# Altium PCB Nano_pro.PcbDoc
Units mm, origin at the board's own origin, x right, y up, seen from the top; angles counter-clockwise.
Board outline 68.58 x 53.21 mm, 2 copper layers (Top Layer, Bottom Layer); 15 components, 14 nets, 70 pads, 8 vias.
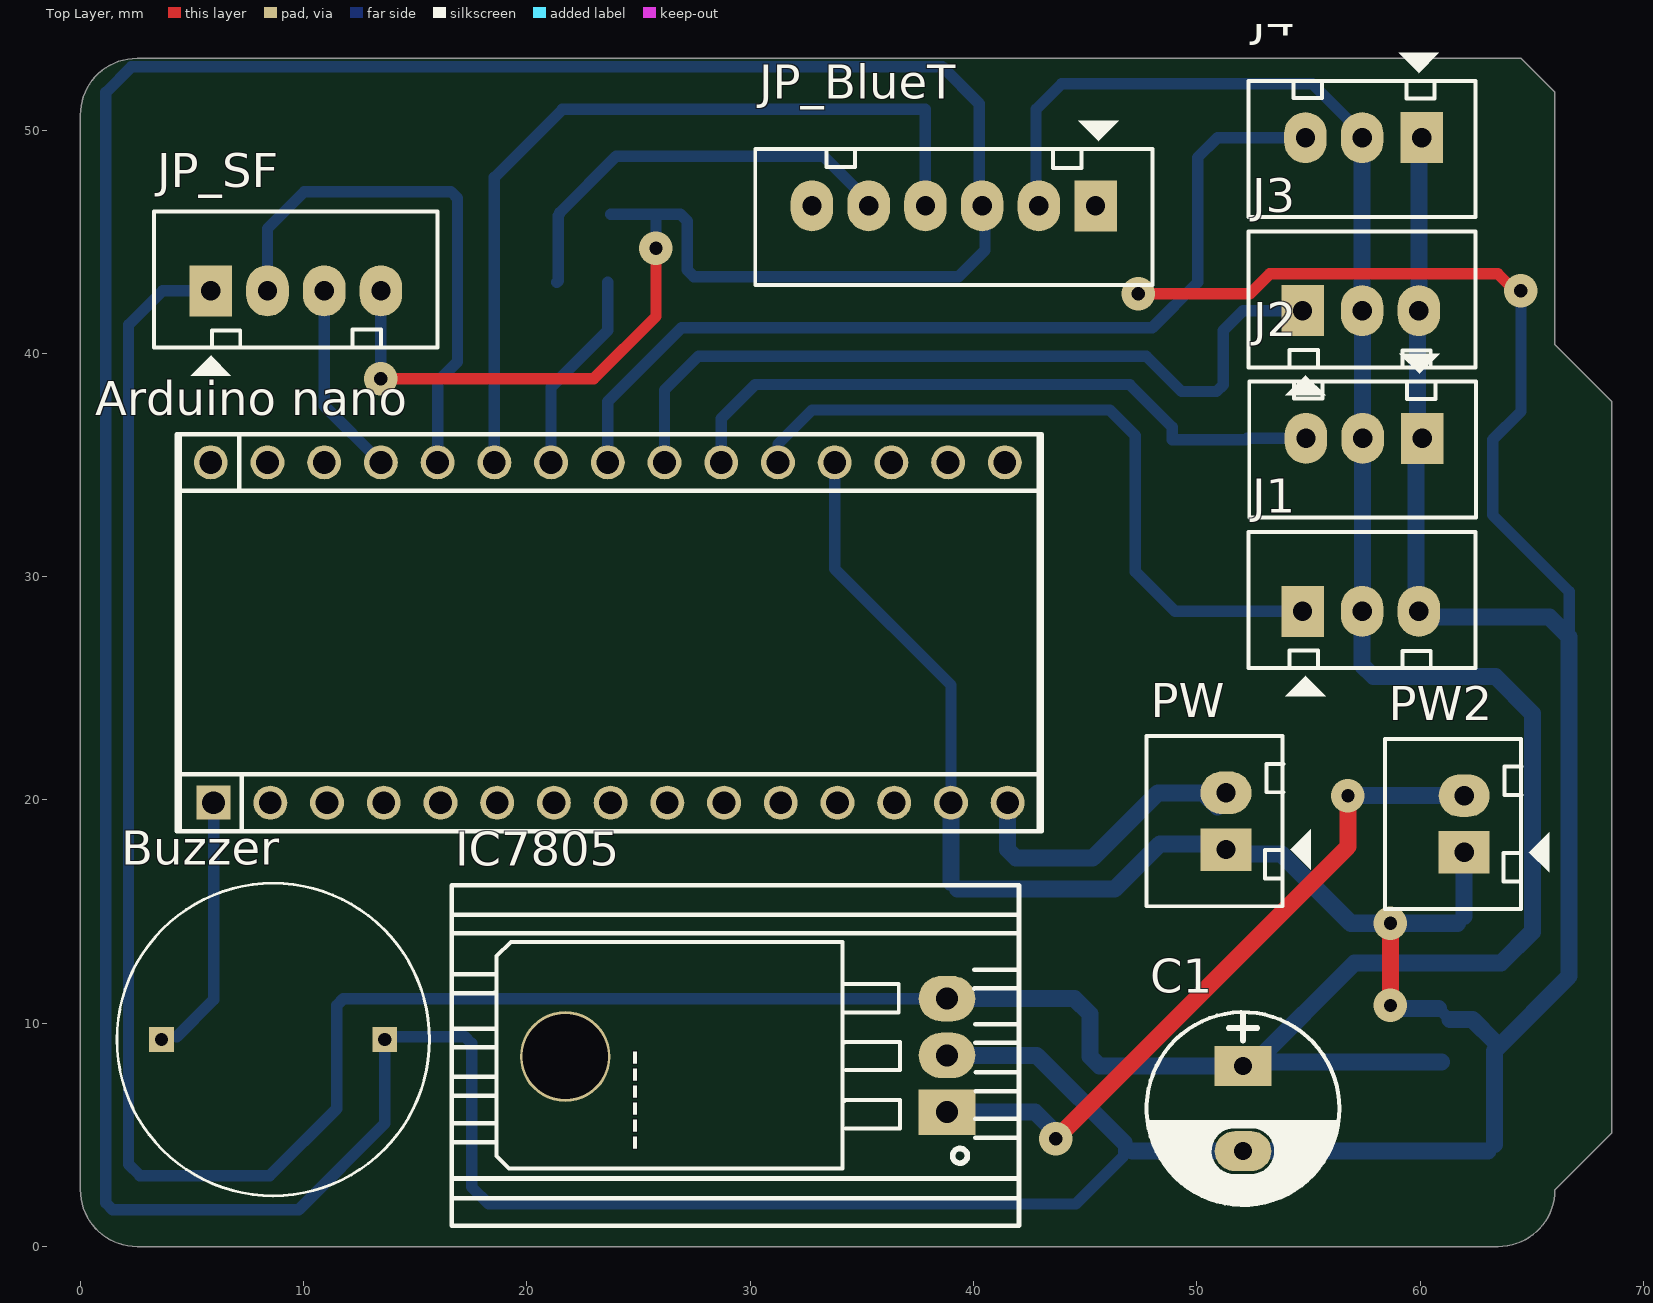
[diagram p0: Top Layer view]
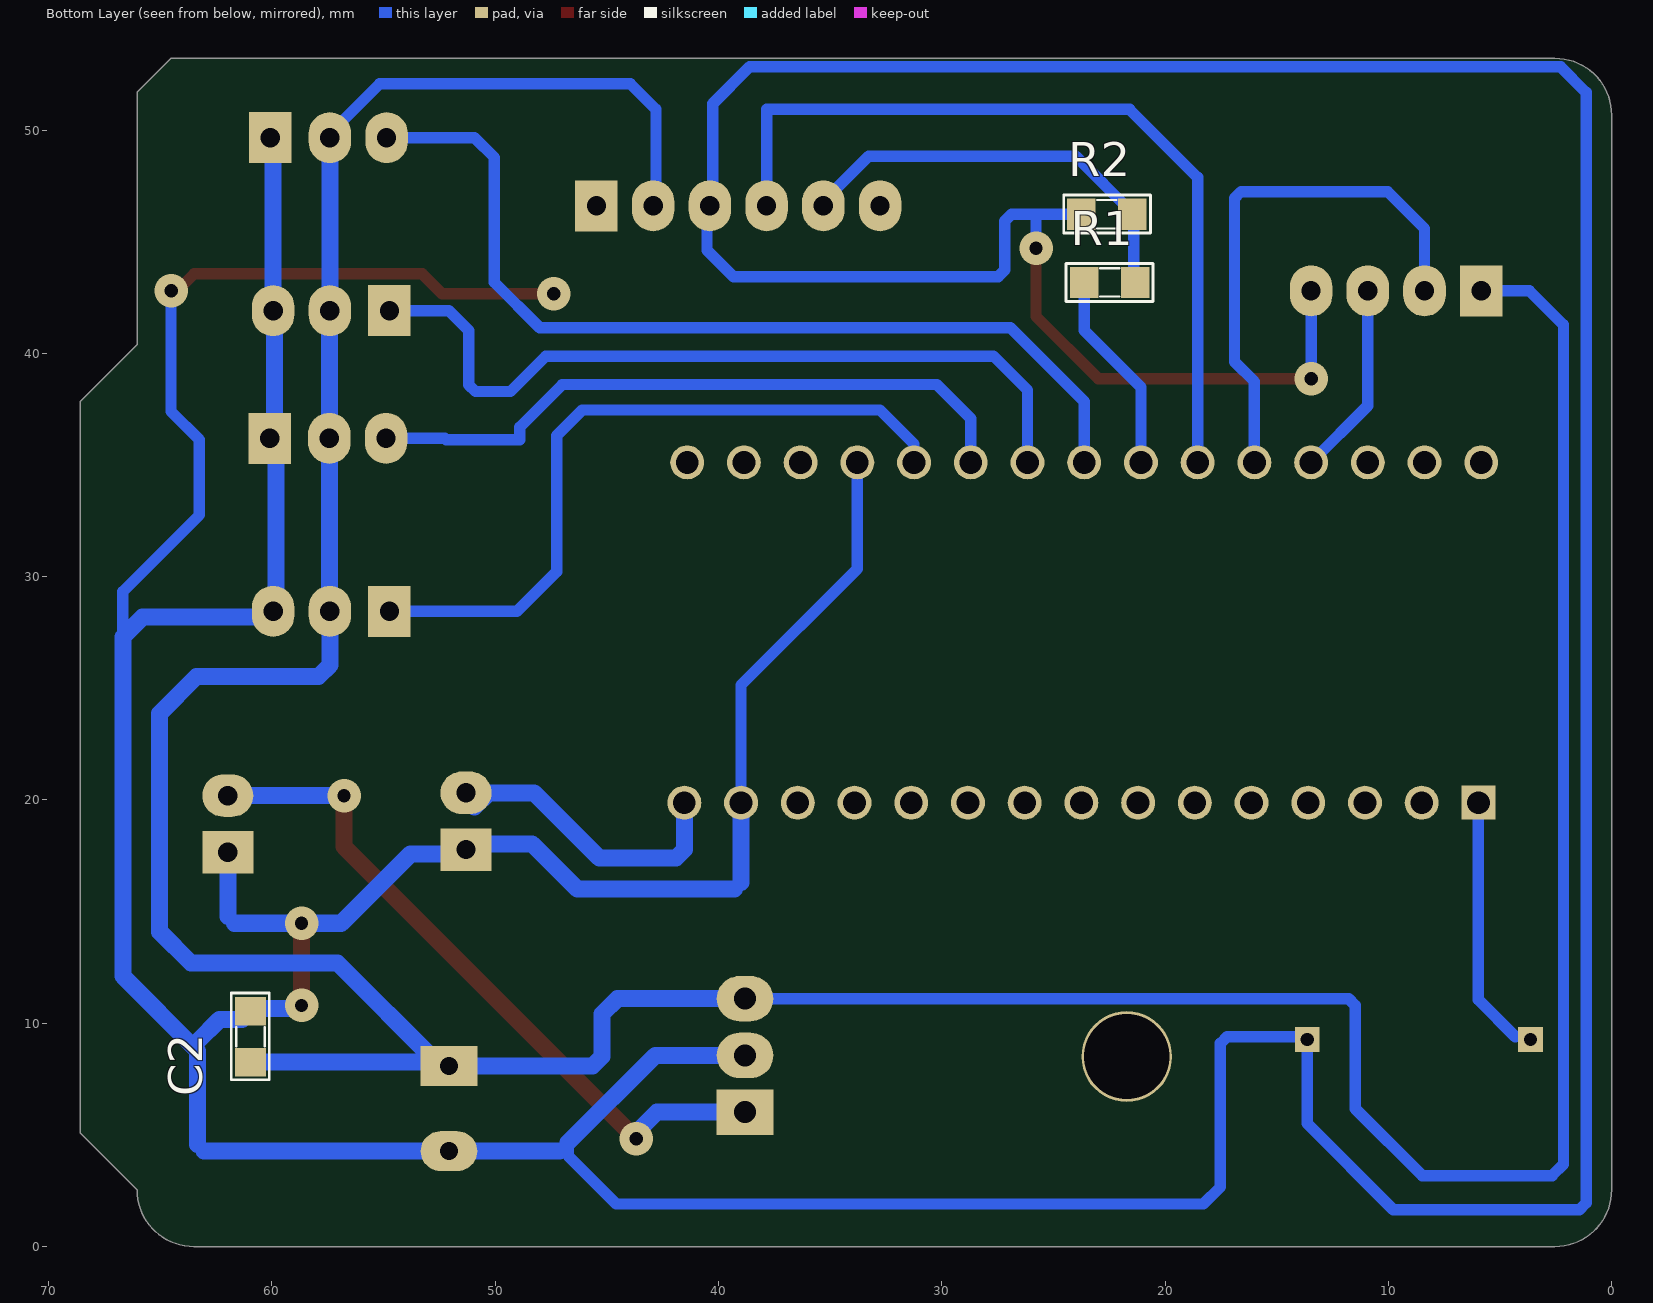
[diagram p1: Bottom Layer view, seen from below]

## Layer stack, top to bottom
Top Solder: solder mask 0.0102, Solder Resist, Dk 3.5
Top Layer: signal copper 0.0356
Dielectric 1: dielectric 0.32, FR-4, Dk 4.8
Bottom Layer: signal copper 0.0356
Bottom Solder: solder mask 0.0102, Solder Resist, Dk 3.5

## Board outline
0,50.673 cw(c2.54,50.673) 2.54,53.213 64.516,53.213 66.04,51.689 66.04,40.386 68.58,37.846 68.58,5.08 66.04,2.54 cw(c63.5,2.54) 63.5,0 2.54,0 cw(c2.54,2.54) 0,2.54

## Design rules (kind name [scope] priority, off if disabled: settings)
Clearance [All] p1: gap=0.254 ignorepadtopadclearanceinfootprint=FALSE except(0: Arc-Hole Track-Hole SMDPad-Hole THPad-Hole Via-Hole Fill-Hole Poly-Hole Region-Hole Text-Hole)
PolygonConnect [All] p1: connectstyle=Relief reliefconductorwidth=0.254 reliefentries=4 polygonreliefangle="90 Angle" airgapwidth=0.254
RoomDefinition Nano_pro [InComponentClass('Nano_pro')] p1: confinementstyle=ConfineIn formatcopy=TRUE lockcomponents=FALSE outline -29.972,-188.722 20.828,-188.722 20.828,-163.322 -29.972,-163.322
RoutingVias [All] p1: holewidth=0.711 width=1.27 viastyle="Through Hole" minholewidth=0.711 minwidth=1.27 maxholewidth=0.711 maxwidth=1.27
SolderMaskExpansion [All] p1: expansion=0.102
Width [All] p1: maxlimit=1.016 minlimit=0.508 preferedwidth=0.508 minimp=50.000000 maximp=50.000000 favimp=50.000000
30 further rules are at their usual default settings.

## Components (designator, comment, footprint, x,y, rotation, side; value= is the part's Value field where it differs from the comment)
"Arduino nano" "Arduino Nano" "Arduino Nano" 23.876,26.734 r270 top value="Cau 1A"
Buzzer "PT-1340P-P10-PQ" *PT-1340_PT-1340P-P10-PQ(Primary) 8.636,9.271 r270 top
C1 "47uF/35V" CP1.5/3.4 52.07,8.084 r270 top value=100uF/35V/50V
C2 "0.1uF" SM-CAP-0805 60.96,10.541 r270 bottom value=103
IC7805 "LM78xx" TO220NH 38.811,6.02 r90 top
J1 "Jumper 3" CON3 54.864,28.448 r0 top value=J3
J2 "Jumper 3" CON3 59.969,36.195 r180 top value=J3
J3 "Jumper 3" CON3 54.864,41.91 r0 top value=J3
J4 "Jumper 3" CON3 59.944,49.657 r180 top value=J3
JP_BlueT "JP6 PIN" CON6 45.466,46.609 r180 top value=JP7
JP_SF "JP4" CON4 5.842,42.799 r0 top value="Connector 4"
PW "JP2" CON2 51.308,17.78 r90 top value="Connector 2"
PW2 "JP2" CON2 61.976,17.653 r90 top value="Connector 2"
R1 "1k" SM-RES-0805 23.622,43.18 r180 bottom value="R1/4W - 1K"
R2 "2k" SM-RES-0805 21.463,46.228 r0 bottom value="R1/4W - 1K"

## Footprints (in the part's own frame and the unit in brackets; to place one, negate y for a bottom-side part, rotate by r counter-clockwise, add the part's x,y. Pads: shape width x height; smd on the part's side, far side on the other; paste and mask are expansions set on the pad)
*PT-1340_PT-1340P-P10-PQ(Primary) [mm]
  rect 1.108x1.108 hole 0.6: P$1(0,5) P$2(0,-5)
  silkscreen extent -7,-7 7,7
"Arduino Nano" [mm]
  round 1.52 hole 1.02: 3V3(6.858,-15.367) 5V(6.858,10.033) A0(6.858,-10.287) A1(6.858,-7.747) A2(6.858,-5.207) A3(6.858,-2.667) A4(6.858,-0.127) A5(6.858,2.413) A6(6.858,4.953) A7(6.858,7.493) D2(-8.382,7.366) D3(-8.382,4.826) D4(-8.382,2.286) D5(-8.382,-0.254) D6(-8.382,-2.794) D7(-8.382,-5.334) D8(-8.382,-7.874) D9(-8.382,-10.414) D10(-8.382,-12.954) D11(-8.382,-15.494) D12(-8.382,-18.034) GND(-8.382,9.906) GND(6.858,15.113) REF(6.858,-12.827) RST(-8.382,12.446) RST(6.858,12.573) RX0(-8.382,14.986) TX1(-8.382,17.526) VIN(6.858,17.653)
  rect 1.52x1.52 hole 1.02: D13(6.858,-17.907)
  silkscreen extent -9.65,-19.55 8.13,19.18, body extent -9.65,-23.48 8.14,21.44, height 21.18
CON2 [mil] "CON2"
  rect 75x90 hole 34: 1(0,0)
  oval 75x90 hole 34: 2(100,0)
  silkscreen extent -100,-150 200,140, body extent -68,-70 168,107, height 236
CON3 [mil] "CON 3"
  rect 75x90 hole 34: 1(-5,0)
  oval 75x90 hole 34: 2(100,0) 3(200,0)
  silkscreen extent -100,-150 300,140, body extent -95,-90 295,136, height 276
CON4 [mil] "CON4"
  rect 75x90 hole 34: 1(0,0)
  oval 75x90 hole 34: 2(100,0) 3(200,0) 4(300,0)
  silkscreen extent -100,-150 400,140, body extent -90,-90 398,136, height 276
CON6 [mil] "CON6"
  rect 75x90 hole 34: 1(0,0)
  oval 75x90 hole 34: 2(100,0) 3(200,0) 4(300,0) 5(400,0) 6(500,0)
  silkscreen extent -100,-150 600,140
CP1.5/3.4 [mil] "Tu hoa 220->470uF,16V, 470uF/16V,25V"
  rect 70x100 hole 32: 1(0,0)
  oval 70x100 hole 32: 2(150,0)
  silkscreen extent -95,-170 245,170, body extent -85,-157 230,157, height 446
SM-CAP-0805 [mil]
  rect 50x55 smd: 1(0,0) 2(90,0)
  silkscreen extent -32,-34 121,33, body extent 6,-25 84,25, height 31
SM-RES-0805 [mil]
  rect 50x55 smd: 1(0,0) 2(90,0)
  silkscreen extent -32,-34 121,33, body extent 6,-25 84,25, height 31
TO220NH [mil] "TO-220 - 1-2-3"
  rect 80x100 hole 39: 1(0,0)
  oval 80x100 hole 39: 2(100,0) 3(200,0)
  round 160 hole 150: H(98,673)
  silkscreen extent -200,-127 400,873, body extent -100,-4 300,764, height 165

## Part data
"Arduino nano": "Arduino NANO", ="Cau 5A"
C1: library part CP3, "Cap 100uF/35V - 470uF/16V", Description 1="1000uF/6,3V - 470uF/16V - 330uF - 25V", Description 2="220uF/35V - 100uF/50V - 63V - 4,7uF/200V", Description 3="22uF => 33uF100V - 3,3uF => 4,7uF/250V", Description 4="2,2uF =>3,3uF/350 - 2,2uF/400V - 1uF/450V"
C2: library part CM, "Cap SMD"
IC7805: "Positive Voltage Regulator", ComponentLink1Description="Manufacturer Link", ComponentLink1URL=http://www.st.com/, ComponentLink2Description=Datasheet, ComponentLink2URL=http://www.st.com/stonline/products/literature/ds/2146/l78m05c.pdf, DatasheetVersion=Apr-1994, LatestRevisionDate=17-Jul-2002, LatestRevisionNote="Re-released for DXP Platform.", Note="Tab is connected to pin 3 (GND).", PackageDescription="TO, Thru-Hole, Vertical, Heatsink Mounted; 3 In-Line Leads; Pitch 2.54 mm; Pin sequence 1, 3, 2", PackageReference=ISOWATT220AB, PackageVersion=Jul-1998, Published=24-Aug-2001, Publisher="Altium Limited"
J1 J2 J3 J4: library part JP3
JP_BlueT: library part JP6
JP_SF: library part Con4, "Connector 4"
PW PW2: library part Con2, "Connector 2"
R1 R2: library part R, "Resistor 1/4W"
Buzzer: SnapEDA_Link=https://www.snapeda.com/parts/PT-1340P-P10-PQ/Mallory%20Sonalert%20Products%20Inc./view-part/463109/?ref=snap

## Via types
v1: diameter 1.5, hole 0.6, Top Layer to Bottom Layer, 8 vias

## Nets (pads, with @x,y where several pads share a name; then routed paths per layer and width w, separated by ;. In a path a pad name is that pad's centre, name@x,y a point inside that pad or via, vN(x,y) a via of type N, cw(c..) or ccw(c..) an arc to the next point about the centre after c; other vN are vias at no path point)
GND: "Arduino nano.GND" Buzzer.P$1 C1.2 C2.1 IC7805.2 J1.3 J2.1 J3.3 J4.1 JP_BlueT.3 JP_SF.4 PW2.1 PW.1 R2.2 | length 371.7
  Top Layer w0.508: v1(13.462,38.862) 22.987,38.862 25.781,41.656 v1(25.781,44.704) ; v1(47.371,42.672) 52.38,42.672 53.269,43.561 63.486,43.561 64.248,42.799 v1(64.516,42.799)
  Top Layer w0.762: v1(58.674,10.795) v1(58.674,14.478)
  Bottom Layer w0.508: JP_SF.4@13.335,42.672 JP_SF.4 v1(13.462,38.862) ; R2.2 25.781,46.228 ; v1@25.781,44.958 25.781,46.228 ; 33.782,35.116 33.782,30.353 38.989,25.146 38.989,19.876 ; 38.989,16.3 39.287,16.002 ; 47.117,4.274 46.736,4.655 46.736,4.064 44.577,1.905 18.288,1.905 17.526,2.667 17.526,9.1 17.228,9.398 13.763,9.398 Buzzer.P$1 13.636,5.508 9.779,1.651 1.441,1.651 1.143,1.949 1.143,51.689 2.286,52.832 38.608,52.832 40.259,51.181 40.259,46.736 JP_BlueT.3 40.513,46.482 40.513,44.621 39.326,43.434 27.476,43.434 27.178,43.732 27.178,45.93 26.88,46.228 25.781,46.228 ; PW.1@50.927,17.589 51.499,17.589 PW.1 PW.1@51.054,18.034 ; PW.1@51.499,17.145 PW.1@51.943,17.589 ; v1(58.674,10.795) v1@58.801,10.668 ; J1.3@59.817,28.575 J1.3 J1.3@60.198,28.194 ; J2.1@59.817,35.179 J2.1@59.88,35.242 ; J3.3@59.88,41.846 J3.3 ; J4.1@59.944,49.53 J4.1 ; C2.1@60.833,10.668 C2.1 C2.1@61.341,10.16 ; 61.678,14.478 61.976,14.776 ; 63.032,4.274 63.329,4.572 ; 63.329,8.763 63.329,9.188 ; v1(64.516,42.799) 64.516,37.402 63.246,36.132 63.246,32.766 66.675,29.337 66.675,27.305
  Bottom Layer w0.762: IC7805.2 42.832,8.56 46.736,4.655 ; 38.989,16.3 38.989,19.876 ; 39.287,16.002 46.311,16.002 48.343,18.034 PW.1@51.054,18.034 ; 47.117,4.274 C1.2 63.032,4.274 ; PW.1@51.943,17.589 53.785,17.589 56.896,14.478 v1(58.674,14.478) 61.678,14.478 ; v1@58.801,10.668 C2.1@60.833,10.668 ; J1.3@59.817,28.575 J2.1@59.817,35.179 ; J2.1@59.88,35.242 J3.3@59.88,41.846 ; J3.3 J4.1@59.944,49.53 ; J1.3@60.198,28.194 65.786,28.194 66.675,27.305 66.675,12.109 63.329,8.763 63.329,4.572 ; C2.1@61.341,10.16 62.357,10.16 63.329,9.188 ; 61.976,14.776 PW2.1
"NetArduino nano_D2": "Arduino nano.D2" J1.1 | length 32.3
  Bottom Layer w0.508: 31.242,35.115 31.242,35.941 32.766,37.465 46.101,37.465 47.244,36.322 47.244,30.226 49.022,28.448 J1.1
"NetArduino nano_D3": "Arduino nano.D3" J2.3 | length 30.2
  Bottom Layer w0.508: 28.702,35.115 28.702,37.084 30.226,38.608 46.99,38.608 48.895,36.703 48.895,36.132 52.197,36.132 52.26,36.195 J2.3
"NetArduino nano_D4": "Arduino nano.D4" J3.1 | length 36
  Bottom Layer w0.508: 26.162,35.115 26.162,38.354 27.686,39.878 47.732,39.878 49.32,38.291 50.883,38.291 51.181,38.588 51.181,41.021 52.07,41.91 J3.1
"NetArduino nano_D5": "Arduino nano.D5" J4.3 | length 42.1
  Bottom Layer w0.508: 23.622,35.115 23.622,37.846 26.924,41.148 48.006,41.148 50.038,43.18 50.038,48.768 50.927,49.657 J4.3
"NetArduino nano_D6": "Arduino nano.D6" R1.1 | length 9.1
  Bottom Layer w0.508: 21.082,35.115 21.082,38.481 23.622,41.021 R1.1
"NetArduino nano_D7": "Arduino nano.D7" JP_BlueT.4 | length 37.6
  Bottom Layer w0.508: 18.542,35.115 18.542,47.879 21.59,50.927 37.846,50.927 JP_BlueT.4
"NetArduino nano_D8": "Arduino nano.D8" JP_SF.2 | length 24.3
  Bottom Layer w0.508: JP_SF.2 8.382,45.593 10.033,47.244 16.593,47.244 16.891,46.946 16.891,39.624 16.002,38.735 16.002,35.115
"NetArduino nano_D9": "Arduino nano.D9" JP_SF.3 | length 8.7
  Bottom Layer w0.508: JP_SF.3 10.922,37.656 13.462,35.116
"NetArduino nano_D13": "Arduino nano.D13" Buzzer.P$2 | length 11.2
  Bottom Layer w0.508: Buzzer.P$2 Buzzer.P$2@3.683,9.318 ; 4.318,9.398 5.969,11.049 5.969,19.875
"NetArduino nano_VIN": "Arduino nano.VIN" PW.2 | length 13.1
  Bottom Layer w0.762: 41.529,19.876 41.529,17.78 41.91,17.399 45.339,17.399 48.26,20.32 50.292,20.32 PW.2@50.927,19.685
NetC1_1: C1.1 C2.2 IC7805.3 J1.2 J2.2 J3.2 J4.2 JP_BlueT.2 JP_SF.1 | length 187.4
  Top Layer w0.508: C1.1@51.892,8.262 C1.1
  Bottom Layer w0.508: JP_SF.1 3.683,42.799 2.159,41.275 2.159,3.683 2.667,3.175 8.484,3.175 11.481,6.172 11.481,10.802 11.778,11.1 IC7805.3 ; JP_BlueT.2 42.799,46.736 42.799,50.927 43.942,52.07 55.181,52.07 57.404,49.847 J4.2 ; C1.1 52.451,8.084 C1.1@52.622,8.255 ; J1.2 57.067,28.448 J1.2@57.417,28.798 ; J3.2 J3.2@57.417,41.897 ; J2.2@57.417,36.182 J2.2 J2.2@57.417,36.208
  Bottom Layer w0.762: IC7805.3 44.526,11.1 45.212,10.414 45.212,8.509 45.637,8.084 C1.1 ; J1.2 57.404,26.035 57.912,25.527 63.373,25.527 65.024,23.876 65.024,14.097 63.627,12.7 57.067,12.7 52.622,8.255 C2.2 ; J3.2 J4.2 ; J1.2@57.417,28.798 J2.2@57.417,36.182 ; J2.2@57.417,36.208 J3.2@57.417,41.897
NetIC7805_1: IC7805.1 PW2.2 | length 31.3
  Top Layer w0.762: v1(43.688,4.826) 56.769,17.907 v1(56.769,20.193)
  Bottom Layer w0.762: IC7805.1 42.748,6.02 v1@43.688,5.08 ; v1(56.769,20.193) PW2.2
NetJP_BlueT_5: JP_BlueT.5 R1.2 R2.1 | length 19.3
  Bottom Layer w0.508: R1.2 21.399,43.243 21.399,46.164 R2.1 21.463,46.291 24.003,48.831 33.274,48.831 35.306,46.799 JP_BlueT.5 JP_BlueT.5@35.179,46.736
pads on no net: "Arduino nano.3V3" "Arduino nano.5V" "Arduino nano.A0" "Arduino nano.A1" "Arduino nano.A2" "Arduino nano.A3" "Arduino nano.A4" "Arduino nano.A5" "Arduino nano.A6" "Arduino nano.A7" "Arduino nano.D10" "Arduino nano.D11" "Arduino nano.D12" "Arduino nano.REF" "Arduino nano.RST" "Arduino nano.RX0" "Arduino nano.TX1" IC7805.H JP_BlueT.1 JP_BlueT.6

## Silkscreen, mask and mechanical layers (free items; w line width, h text height)
Mechanical 2:
  drawing of 2896 lines, arcs and shapes, not listed
Mechanical 3:
  drawing of 3888 lines, arcs and shapes, not listed
  text "53.3000" at -5.728,26.527 h0.18
  text "68.5346" at 34.295,-6.514 h0.18
  text "53.3000" at -0.118,-154.017 h0
  text "53.3000" at -0.118,-154.017 h0
  text "53.3000" at -0.118,-154.017 h0
  text "68.5346" at 0.898,-154.856 h0
  text "68.5346" at 0.898,-154.856 h0
  text "68.5346" at 0.898,-154.856 h0
Mechanical 4:
  circle w0.006: c0.028,-154.854 r0.003
  circle w0.006: c0.028,-154.562 r0.003
  circle w0.006: c1.769,-154.562 r0.003
  circle w0.006: c-0.118,-154.691 r0.003
  circle w0.006: c0.053,-154.691 r0.003
  circle w0.006: c0.053,-153.337 r0.003
  circle w0.006: c0.028,-6.424 r0.003
  circle w0.006: c0.028,5.045 r0.003
  circle w0.006: c68.563,5.045 r0.003
  circle w0.006: c-5.728,-0.033 r0.003
  circle w0.006: c1.022,-0.033 r0.003
  circle w0.006: c1.022,53.267 r0.003
  circle w0.006: c0.028,-154.854 r0.003
  circle w0.006: c0.028,-154.562 r0.003
  circle w0.006: c1.769,-154.562 r0.003
  circle w0.006: c-0.118,-154.691 r0.003
  circle w0.006: c0.053,-154.691 r0.003
  circle w0.006: c0.053,-153.337 r0.003
  circle w0.006: c0.028,-154.854 r0.003
  circle w0.006: c0.028,-154.562 r0.003
  circle w0.006: c1.769,-154.562 r0.003
  circle w0.006: c-0.118,-154.691 r0.003
  circle w0.006: c0.053,-154.691 r0.003
  circle w0.006: c0.053,-153.337 r0.003
Board Shape:
  lines w0.127: 0,1.27 ccw(c1.27,1.27) 1.27,0 64.77,0 ccw(c64.77,1.27) 66.04,1.27 66.04,2.54 68.58,5.08 68.58,37.846 66.04,40.386 66.04,51.689 64.389,53.34 1.27,53.34 ccw(c1.27,52.07) 0,52.07 0,26.035 0,1.27

## Text inside footprints (layer, text, board x,y; h text height)
IC7805: Top Overlay "------" at 25.425,4.267 h1.52 r90